# KiCad board traffic_paradise.kicad_pcb (continued)
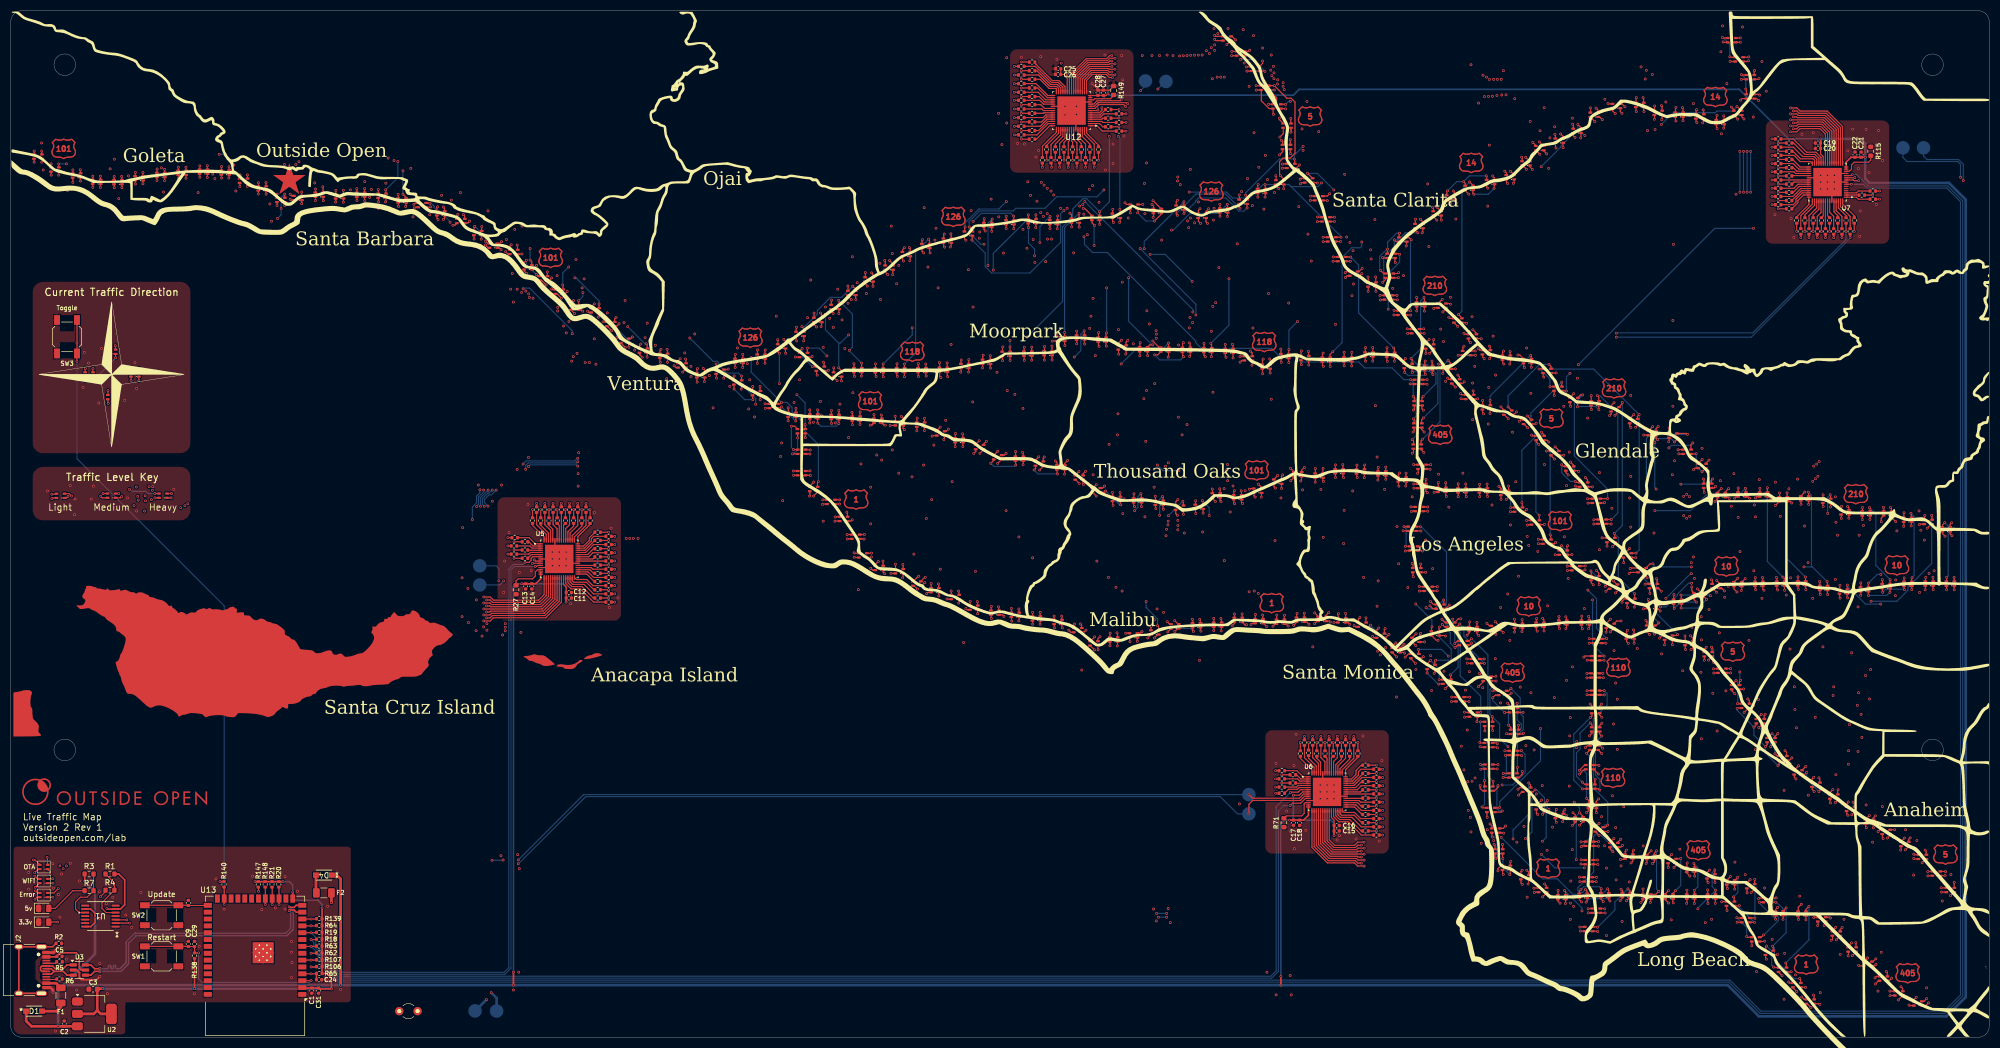
[diagram p0: board, top side]
## Routing (per net, layer and track width the routed paths; a pad name or vN(x,y) marks a point on that pad's centre or on a via; arc(x,y) is an arc through that point) (continued)
/Matrix 1/COL6: length 495
  Top w0.203: v1(28.5,160.88) 28.49,160.86 28.49,160.22 ; 121.66,126.69 121.66,127.42 v1(121.58,127.5) ; v1(187.43,108.4) 187.54,108.28 187.54,107.64 ; 220.36,76.76 220.36,77.34 v1(220.25,77.45) ; 153.41,115.36 153.41,116.17 v1(153.4,116.18) ; v1(254.73,105.68) 254.7,105.65 254.7,104.9 ; v1(158.12,93.2) 158.09,93.16 157.22,93.16 ; v1(220.73,99.45) 220.87,99.31 220.87,98.7 ; 19.37,100.78 v1(20,100.78) ; U5.18 99.6,81.69 98.13,80.22 98.1,80.19 89.07,80.19 88.77,80.49 v1(87.62,80.49) ; v1(61.6,157) 61.61,156.99 61.61,156.26 ; 93.87,145.95 93.87,146.76 v1(93.8,146.82) ; 186.78,78.69 186.78,79.34 v1(186.75,79.38)
  In1.Cu w0.203: v1(37.42,159.99) 35.25,159.99 33.42,161.82 29.44,161.82 v1(28.5,160.88) ; v1(254.73,105.68) 254.73,105.91 v1(253.1,107.53) ; v1(61.6,157) 62.44,157.84 64.38,157.84 65.04,157.18 65.04,156.95 65.42,156.56 70.66,156.56 71.27,157.17 83.46,157.17 v1(93.8,146.82) 94.81,146.82 98,143.64 98,141.3 95.72,139.02 95.72,138.59 95.44,138.31 ; 95.44,138.31 95.44,138.2 95.36,138.13 95.36,137.1 95.57,136.89 95.57,136.89 95.87,136.59 95.87,136.59 96.05,136.42 97.76,136.42 100.09,134.09 101.1,134.09 101.1,134.09 101.99,134.09 102.46,133.61 104.24,133.61 104.24,133.61 104.77,133.61 105.42,132.96 106.97,132.96 108.27,131.67 110.59,131.67 110.78,131.86 111.31,131.86 112.49,133.04 116.04,133.04 v1(121.58,127.5) ; 95.44,138.31 v1(95.43,138.3) ; v1(153.4,116.18) 146.79,122.78 138.5,122.78 v1(136.44,124.84) ; v1(222.01,96.69) 212.34,87.03 v1(212.34,79.38) 212.34,79.23 213.58,77.99 219.71,77.99 v1(220.25,77.45) ; v1(187.43,108.4) 186.75,107.73 v1(186.75,92.72) v1(186.75,79.38) ; v1(158.12,93.2) 158.12,96.5 152.73,101.9 v1(152.73,113.85)
  In2.Cu w0.203: v1(87.62,80.49) 87.11,80.99 87.11,81.81 88.27,82.97 88.27,97.85 v1(87.71,98.42) 86.68,99.45 33.64,99.45 33.27,99.81 31.9,99.81 30.45,98.36 27.08,98.36 27.08,98.36 25.94,98.36 25.48,98.82 24.69,98.82 24.22,99.29 24.22,100.27 23.65,100.85 20.07,100.85 v1(20,100.78) ; v1(37.42,159.99) 41.73,159.99 42.09,160.35 49.21,160.35 50.25,159.3 59.3,159.3 v1(61.6,157) ; v1(186.75,92.72) 158.6,92.72 v1(158.12,93.2) ; v1(95.43,138.3) 95.21,138.09 95.21,136.7 95.81,136.1 95.81,108.83 89.19,102.21 v1(89.19,101.41) ; v1(186.75,79.38) v1(212.34,79.38) ; v1(220.73,99.45) 221.17,99.45 223.44,101.71 223.44,101.93 229.04,107.53 v1(253.1,107.53) ; v1(121.58,127.5) 121.58,127.37 123.77,125.18 128.38,125.18 128.91,125.71 132.46,125.71 133.33,124.84 v1(136.44,124.84)
  Bottom w0.203: v1(87.71,98.42) 87.36,98.76 87.36,99.84 88.43,100.9 88.64,100.9 89.15,101.41 v1(89.19,101.41) ; v1(222.01,96.69) 222.01,98.17 v1(220.73,99.45) ; v1(153.4,116.18) 153.4,114.53 v1(152.73,113.85)
/Matrix 1/COL7: length 489.4
  Top w0.203: v1(159.45,89.73) 159.44,89.71 158.54,89.71 ; 190.69,78.03 190.69,78.74 v1(190.7,78.75) ; v1(191.45,107.55) 191.25,107.35 191.25,106.73 ; U5.17 99.2,81.87 97.96,80.62 97.93,80.6 89.24,80.6 88.79,81.04 v1(88.14,81.04) ; v1(125,125.7) 125.06,125.64 125.06,124.91 ; 96.51,143.1 96.51,143.74 v1(96.2,144.05) ; v1(29.78,100.78) 29.77,100.78 28.89,100.78 ; 224.02,100.84 224.02,101.58 v1(223.95,101.65) ; 258.46,103.78 258.46,104.53 v1(258.48,104.55) ; v1(224.18,77.6) 224.27,77.5 224.27,76.86 ; v1(157.35,115.9) 157.32,115.87 157.32,115.06 ; 32.45,160.63 v1(32.45,161.28) ; v1(65.55,157.28) 65.52,157.25 65.52,156.56
  In1.Cu w0.2: v1(96.2,144.05) 96.2,143.98 94.76,142.54 94.76,138.86 v1(94.91,138.71) ; 86.31,98.49 v1(86.31,98.36)
  In1.Cu w0.203: v1(86.24,81.06) 86.25,81.04 v1(88.14,81.04) ; v1(29.78,100.78) 30.9,100.78 v1(32.8,98.87) ; v1(65.55,157.28) 65.96,157.68 84.69,157.68 v1(96.2,146.17) ; v1(191.45,107.55) 191.45,79.5 v1(190.7,78.75) ; v1(224.18,77.6) 223.03,78.75 ; 223.03,78.75 228.73,84.45 228.73,101.23 v1(228.67,101.29) ; 223.03,78.75 222.63,78.35 213.94,78.35 v1(213.55,78.75) ; v1(159.45,89.73) 160.42,90.69 v1(160.42,107.92) 160.42,115.63 160.14,115.91 157.36,115.91 v1(157.35,115.9) 151.71,121.54 149.4,121.54 v1(146.48,124.46)
  In2.Cu w0.2: v1(94.91,138.71) 94.58,138.71 94.12,138.25 94.12,136.77 95.09,135.8 95.09,109.13 87.58,101.62 v1(87.58,101.41)
  In2.Cu w0.203: v1(86.31,98.36) 86.21,98.46 ; 86.21,98.46 85.96,98.72 32.95,98.72 v1(32.8,98.87) ; 86.21,98.46 87.55,97.13 87.55,83.27 86.24,81.96 v1(86.24,81.06) ; v1(32.45,161.28) 33.21,162.04 35.31,162.04 35.54,161.8 35.54,161.58 36.62,160.5 38.23,160.5 38.29,160.45 41.68,160.45 41.99,160.76 49.31,160.76 50.4,159.67 63.16,159.67 v1(65.55,157.28) ; v1(190.7,78.75) v1(213.55,78.75) ; v1(160.42,107.92) 160.7,107.63 184.51,107.63 185.21,108.34 185.21,108.41 185.93,109.12 189.88,109.12 v1(191.45,107.55) ; v1(104.01,130.4) 115.38,130.4 116.7,129.08 121.62,129.08 v1(125,125.7) 125.38,126.08 132.68,126.08 133.32,125.44 136.86,125.44 137.97,124.33 146.35,124.33 v1(146.48,124.46) ; v1(258.48,104.55) 256.79,102.87 254.48,102.87 253.52,103.83 252.92,103.83 251.45,102.35 241.01,102.35 239.73,103.64 238.76,103.64 237.71,102.59 231.76,102.59 231.34,103.01 230.13,103.01 228.67,101.55 v1(228.67,101.29) 228.1,100.72 224.88,100.72 v1(223.95,101.65)
  Bottom w0.2: v1(87.58,101.41) 87.58,101.08 86.64,100.14 86.64,98.81 86.31,98.49 v1(86.31,98.36)
  Bottom w0.203: v1(94.91,138.71) 95.05,138.85 96.1,138.85 104.01,130.94 v1(104.01,130.4) ; v1(96.2,146.17) v1(96.2,144.05)
/Matrix 1/COL8: length 564.2
  Top w0.203: v1(195.78,106.9) 195.21,106.34 195.21,106.02 ; v1(161.58,88.25) 161.58,88.24 161.58,87.37 ; 194.71,77.37 194.71,78.02 v1(194.68,78.05) ; v1(99.4,141.85) 99.4,141.85 99.4,141.07 ; v1(262.18,103.4) 262.12,103.34 262.12,102.56 ; v1(227.93,101.28) 227.98,101.22 227.98,100.48 ; v1(128.28,123.95) 128.51,123.71 128.51,123.09 ; v1(161.25,115.33) 161.33,115.25 161.33,114.65 ; v1(11.26,100.29) 10.81,100.75 9.9,100.75 ; v1(69.45,157.07) 69.48,157.04 69.48,156.36 ; 36.41,160.83 36.41,161.51 v1(36.4,161.53) ; U5.16 98.8,82.04 97.79,81.03 97.76,81.01 89.41,81.01 88.81,81.6 v1(87.63,81.6) ; 6.8,29.35 7.75,29.35 v1(7.78,29.38)
  In1.Cu w0.2: v1(95.95,137.78) 96.08,137.92 96.08,138.87 99.06,141.85 v1(99.4,141.85)
  In1.Cu w0.203: v1(161.58,88.25) 161.33,88.5 v1(161.33,106.97) 161.05,107.25 161.05,115.12 v1(161.25,115.33) ; v1(195.78,106.9) 195.78,79.15 v1(194.68,78.05) ; v1(24.96,99.42) 23.73,99.42 v1(23.6,99.55) ; 98.66,141.45 98.66,144.49 93.41,149.74 v1(93.36,149.74) ; v1(99.4,141.85) 99.76,142.21 110.71,142.21 128.28,124.65 v1(128.28,123.95) ; v1(214.43,106.47) 222.84,106.47 227.93,101.38 v1(227.93,101.28)
  In2.Cu w0.2: v1(95.95,137.78) 95.57,137.41 95.57,136.85 96.17,136.25 96.17,108.68 89.91,102.41 v1(89.91,101.41)
  In2.Cu w0.203: v1(93.36,149.74) 88.83,149.74 76.25,162.31 v1(71.7,162.31) ; v1(161.33,106.97) 189.48,106.97 190.21,106.24 195.45,106.24 195.78,106.57 ; v1(7.78,29.38) 7.78,31.28 4.6,34.45 4.6,93.42 11.26,100.08 v1(11.26,100.29) 11.41,100.44 15.09,100.44 16.14,99.4 23.45,99.4 v1(23.6,99.55) ; v1(214.43,106.47) 214.33,106.57 195.78,106.57 ; v1(161.25,115.33) 156.61,119.96 142.29,119.96 138.7,123.55 134.04,123.55 132.24,125.34 129.67,125.34 v1(128.28,123.95) ; v1(36.4,161.53) 37.73,161.53 38.43,160.82 41.54,160.82 41.84,161.12 49.46,161.12 50.55,160.03 66.49,160.03 v1(69.45,157.07) ; v1(262.18,103.4) 260.59,103.4 257.76,106.24 251.74,106.24 249.97,104.46 237.46,104.46 236.61,103.61 230.19,103.61 227.93,101.34 v1(227.93,101.28) ; 195.78,106.57 v1(195.78,106.9) ; v1(24.96,99.42) 25.39,99.42 26.09,98.72 26.93,98.72 26.93,98.72 30.3,98.72 31.75,100.18 33.42,100.18 33.79,99.81 87.04,99.81 v1(88.4,98.45) 88.64,98.21 88.64,82.61 v1(87.63,81.6)
  Bottom w0.203: v1(71.7,162.31) 71.7,159.33 v1(69.45,157.07) ; v1(88.4,98.45) 87.73,99.12 87.73,99.69 88.58,100.54 89.04,100.54 89.91,101.4 v1(89.91,101.41)
/Matrix 1/ROW0: length 2.4
  Top w0.203: R11.1 95.81,90.25 U5.4
/Matrix 1/ROW1: length 2.7
  Top w0.203: U5.6 96.43,89.45 R12.1
/Matrix 1/ROW2: length 4.6
  Top w0.203: U5.5 96.26,89.85 95.95,89.54 R13.1
/Matrix 1/ROW3: length 4.8
  Top w0.203: R14.1 96.01,92.59 97.15,91.45 U5.1
/Matrix 1/ROW4: length 4.6
  Top w0.203: U5.3 96.55,90.65 96.14,91.06 R15.1
/Matrix 1/ROW5: length 2.7
  Top w0.203: R16.1 95.95,91.83 96.73,91.05 U5.2
/Matrix 1/ROW6: length 3.7
  Top w0.203: U5.58 99.6,93.44 98.17,94.87 R17.1
/Matrix 1/ROW7: length 5.9
  Top w0.203: R22.1 97.41,95 99.2,93.21 U5.59
/Matrix 1/ROW8: length 4
  Top w0.203: U5.60 98.8,92.72 96.65,94.87 R23.1
/Matrix 1/ROW9: length 5.5
  Top w0.203: U5.54 101.2,94.26 100.46,95 R24.1
/Matrix 1/ROW10: length 3.4
  Top w0.203: U5.56 100.4,94.17 99.7,94.87 R25.1
/Matrix 1/ROW11: length 5.6
  Top w0.203: U5.57 100,93.93 98.93,95 R26.1
/Matrix 1/ROW12: length 3.3
  Top w0.203: U5.51 102.4,94.91 R28.1
/Matrix 1/ROW13: length 5.2
  Top w0.203: U5.52 102,97.27 R29.1
/Matrix 1/ROW14: length 3.3
  Top w0.203: R30.1 101.6,94.87 U5.53
/Matrix 1/ROW15: length 5.8
  Top w0.203: U5.48 103.6,93.44 105.03,94.87 R31.1
/Matrix 1/ROW16: length 3.6
  Top w0.203: R32.1 104.27,94.75 103.2,93.68 U5.49
/Matrix 1/ROW17: length 5.5
  Top w0.203: U5.50 102.8,94.3 103.51,95 R33.1
/Matrix 1/ROW18: length 4.7
  Top w0.203: U5.45 105.05,92.79 107.32,95.06 R34.1
/Matrix 1/ROW19: length 3.9
  Top w0.203: R35.1 105.79,94.75 104,92.95 U5.47
/Matrix 1/ROW20: length 6.1
  Top w0.203: R36.1 106.55,94.87 104.4,92.72 U5.46
/Matrix 1/ROW21: length 5.5
  Top w0.203: R37.1 107.82,89.79 107.08,89.05 U5.39
/Matrix 1/ROW22: length 3.6
  Top w0.203: R38.1 107.95,90.56 106.85,89.45 U5.40
/Matrix 1/ROW23: length 5.8
  Top w0.203: U5.41 106.48,89.85 107.95,91.32 R39.1
/Matrix 1/ROW24: length 3.9
  Top w0.203: R40.1 108.18,92.08 106.35,90.25 U5.42
/Matrix 1/ROW25: length 6.4
  Top w0.203: R41.1 107.99,92.84 107.55,92.4 107.55,91.96 106.24,90.65 U5.43
/Matrix 1/ROW26: length 4.5
  Top w0.203: R42.1 107.19,92.59 107.19,92.11 106.12,91.05 U5.44
/Matrix 1/ROW27: length 5.5
  Top w0.203: R43.1 108.01,82.94 106.61,84.33 104.27,84.33 104,84.6 U5.29
/Matrix 1/ROW28: length 6.5
  Top w0.203: R44.1 107.82,83.7 106.68,84.84 104.77,84.84 104.41,85.21
/Matrix 1/ROW29: length 3.7
  Top w0.203: R45.1 108.08,84.46 106.69,85.85 U5.31
/Matrix 1/ROW30: length 5.6
  Top w0.203: R46.1 107.95,85.22 106.92,86.25 U5.32
/Matrix 1/ROW31: length 3.4
  Top w0.203: U5.33 107.28,86.65 107.95,85.98 R47.1
/Matrix 1/ROW32: length 5.3
  Top w0.203: R48.1 107.82,86.75 107.52,87.05 U5.34
/Matrix 1/ROW33: length 3.2
  Top w0.203: U5.35 108.15,87.45 R49.1
/Matrix 1/ROW34: length 5.2
  Top w0.203: U5.37 110.22,88.25
/Matrix 1/ROW35: length 3.3
  Top w0.203: R51.1 107.82,88.65 U5.38
/Matrix 1/ROW36: length 10
  Top w0.203: U5.26 102.8,84.08 103.76,83.11 105.49,83.11 107.95,80.65 R52.1
/Matrix 1/ROW37: length 7.1
  Top w0.203: U5.27 103.2,84.25 103.93,83.52 105.79,83.52 107.9,81.41 R53.1
/Matrix 1/ROW38: length 8.3
  Top w0.203: R54.1 107.95,82.17 106.2,83.93 104.1,83.93 103.6,84.42 U5.28
/Matrix 2/COL0: length 281.6
  Top w0.203: 353.96,6.65 354.4,6.65 v1(354.9,7.15) ; v1(231.9,78.25) 231.94,78.21 231.94,77.52 ; v1(304.88,34.55) 304.48,34.16 304.48,33.78 ; v1(275.12,66.93) 275.05,66.85 274.21,66.85 ; v1(276.9,39.15) 276.46,38.71 275.78,38.71 ; v1(279.82,53.15) 279.76,53.08 279.03,53.08 ; 263.79,69.03 263.79,69.72 v1(263.95,69.88) ; 261.61,98.3 262.48,98.3 v1(262.5,98.28) ; 292.9,29.65 v1(293.75,29.65) ; v1(250.7,36.16) 249.52,36.16 248.92,35.56 245.25,35.56 244.24,36.57 U6.24 ; v1(264.65,76.03) 264.6,75.98 264.6,75.25 ; v1(305.3,27.05) 304.71,26.46 303.77,26.46
  In1.Cu w0.203: v1(262.5,98.28) 261.95,98.82 259.12,98.82 254.69,94.39 254.69,80.41 ; v1(275.12,66.93) 276.36,66.93 280.74,62.55 280.74,54.11 v1(280.67,54.04) ; v1(272.4,35.95) 272.4,37.35 v1(273.5,38.45) ; v1(330.6,11.55) 330.4,11.55 329.7,10.85 327.95,10.85 324.2,14.6 324.2,14.75 324,14.75 319.3,19.45 319.3,20.75 316.3,23.75 313.6,23.75 313.14,23.29 307.66,23.29 305.3,25.65 v1(305.3,27.05) ; 254.69,80.41 257.93,77.16 263.51,77.16 v1(264.65,76.03) ; 254.69,80.41 250.78,80.41 248.04,77.67 232.48,77.67 v1(231.9,78.25) ; v1(304.88,34.55) 298.8,40.62 v1(298.8,42.71) ; v1(284.94,42.23) 284.94,41.75 283.68,40.48 278.23,40.48 v1(276.9,39.15) 276.9,46.12 v1(276.27,46.75)
  In2.Cu w0.203: v1(284.94,42.23) 285.46,42.74 289.14,42.74 289.21,42.67 298.76,42.67 v1(298.8,42.71) ; v1(305.3,27.05) 304.15,28.2 295.2,28.2 v1(293.75,29.65) ; v1(330.6,11.55) 348.7,11.55 351.34,8.91 353.14,8.91 v1(354.9,7.15) ; v1(273.5,38.45) 276.2,38.45 v1(276.9,39.15) ; v1(275.12,66.93) 273.26,68.79 268.7,68.79 v1(267.58,69.9) ; v1(250.7,36.16) 252.33,36.16 253.1,35.39 271.84,35.39 v1(272.4,35.95) ; v1(280.67,54.04) 280.67,54 v1(279.82,53.15)
  Bottom w0.203: v1(279.82,53.15) 280.51,52.46 280.51,49.04 278.22,46.75 v1(276.27,46.75) ; 266.83,70.09 266.62,69.88 v1(263.95,69.88) ; 266.83,70.09 266.83,71.95 264.65,74.13 v1(264.65,76.03) ; 266.83,70.09 267.39,70.09 v1(267.58,69.9) ; v1(304.88,34.55) 304.88,27.48 v1(305.3,27.05)
/Matrix 2/COL1: length 282.3
  Top w0.203: v1(277.9,64.62) 277.48,64.21 277.05,64.21 ; v1(294.15,44.18) 293.7,43.73 293.7,43.25 ; v1(250.19,34.49) 249.58,34.49 249.43,34.35 244.75,34.35 243.04,36.05 U6.21 ; v1(350.15,9.35) 350.46,9.04 350.46,8.53 ; v1(276.32,35.73) 276.34,35.71 276.34,34.85 ; 308.45,33.07 309.27,33.07 v1(309.35,33.15) ; v1(266.7,67.15) 266.74,67.11 266.74,66.29 ; 307.89,26.46 307.89,26.66 v1(308.38,27.15) ; 235.9,77.42 235.9,78.15 v1(235.98,78.23) ; 278.98,48.92 279.1,49.04 v1(279.1,50.01) ; 260.29,94.64 261.11,94.64 v1(261.15,94.6) ; 293.2,36.25 v1(294.12,36.25)
  In1.Cu w0.203: v1(243.12,92.65) 235.98,85.5 v1(235.98,78.23) ; v1(315.08,21.85) 314.09,22.85 307.59,22.85 304.79,25.65 304.79,27.26 305.19,27.66 307.86,27.66 v1(308.38,27.15) ; v1(282.62,45.09) 282.41,45.09 279.1,48.4 v1(279.1,50.01) ; v1(280.58,36.82) 280.46,36.7 280.46,34.37 278.09,32 277.67,32 277.04,32.62 277.04,35.01 v1(276.32,35.73) ; v1(266.7,67.15) 266.7,66.14 269.3,63.54 270.49,63.54 272.58,61.44 275.45,61.44 v1(275.98,61.96) ; v1(294.12,36.25) 294.74,36.87 294.74,40.81 v1(294.69,40.87) 294.69,43.64 v1(294.15,44.18)
  In2.Cu w0.203: v1(243.12,92.65) 259.2,92.65 v1(261.15,94.6) ; v1(277.9,64.62) 275.98,62.7 v1(275.98,61.96) ; v1(250.19,34.49) 251.51,34.49 251.7,34.3 274.9,34.3 v1(276.32,35.73) ; v1(315.08,21.85) 330.02,6.91 334.36,6.91 334.74,7.29 346.04,7.29 348.1,9.35 v1(350.15,9.35) ; v1(282.62,45.09) 282.62,44.18 283.62,43.18 289.23,43.18 289.36,43.04 293.01,43.04 v1(294.15,44.18) ; v1(294.69,40.87) 301.63,40.87 v1(309.35,33.15)
  Bottom w0.203: v1(261.15,94.6) 261.29,94.6 265.97,89.92 265.97,80.59 265.89,80.52 265.89,77.12 268.1,74.9 268.1,68.55 v1(266.7,67.15) ; v1(282.62,45.09) 281.78,44.26 281.78,38.02 v1(280.58,36.82) ; v1(309.35,33.15) 309.35,28.12 v1(308.38,27.15) ; v1(279.1,50.01) 279.1,55.96 280.19,57.05 280.19,59.44 279.61,60.01 279.61,62.91 v1(277.9,64.62)
/Matrix 2/COL2: length 257
  Top w0.203: v1(311.8,32.2) 311.9,32.1 311.9,31.44 ; v1(294.92,67.45) 294.2,67.45 ; v1(279.05,61.9) 279.08,61.87 279.08,61.01 ; 336.18,22.25 336.93,22.25 v1(337.08,22.1) ; v1(250.7,33.94) 244.58,33.94 242.64,35.88 U6.20 ; 277.76,31.8 277.76,32.46 v1(277.88,32.58) ; 239.61,77.77 239.61,78.59 v1(239.62,78.6) ; 281.52,46.28 281.52,46.8 v1(281.2,47.13) ; v1(261.55,91) 261.53,90.98 260.59,90.98 ; 269.18,63.04 270.26,63.04 v1(270.27,63.03) ; 293.1,32.85 v1(293.93,32.85) ; 311.9,26.46 311.9,27.2 v1(311.88,27.23)
  In1.Cu w0.203: v1(270.27,63.03) 272.22,61.08 278.23,61.08 v1(279.05,61.9) ; v1(337.08,22.1) 336.2,22.97 320.33,22.97 317.27,26.03 313.07,26.03 v1(311.88,27.23) ; v1(246.91,91.5) 239.62,84.21 v1(239.62,78.6) ; v1(278.45,54.04) 278.45,52.27 279.62,51.1 279.62,49.6 279.49,49.46 279.49,48.53 280.89,47.13 v1(281.2,47.13) ; v1(277.88,32.58) 277.4,33.05 277.4,35.16 277.4,35.16 277.4,35.85 v1(278.3,36.75) ; v1(293.93,32.85) 295.73,32.85 v1(299.81,28.78) ; v1(279.63,64.9) 279.63,68.03 270.92,76.74 270.92,81.63 v1(261.55,91)
  In2.Cu w0.203: v1(283.54,33.89) 282.23,32.58 v1(277.88,32.58) 277.84,32.61 274.64,32.61 273.31,33.94 v1(250.7,33.94) ; v1(279.05,61.9) 278.46,61.31 277.08,61.31 276.76,61.63 276.76,62.12 277.43,62.79 277.69,62.79 279.63,64.73 v1(279.63,64.9) 294.65,64.9 295.55,65.8 295.55,66.82 v1(294.92,67.45) ; v1(246.91,91.5) 261.05,91.5 v1(261.55,91) ; v1(291.5,31.39) 292.46,31.39 v1(293.93,32.85) ; v1(299.81,28.78) 310.32,28.78 v1(311.88,27.23)
  Bottom w0.203: v1(279.05,61.9) 279.05,58.8 279.82,58.03 279.82,57.28 278.45,55.91 v1(278.45,54.04) ; v1(311.88,27.23) 312.53,27.88 312.53,31.47 v1(311.8,32.2) ; v1(283.54,33.89) 286.04,31.39 v1(291.5,31.39) ; v1(278.3,36.75) 278.3,38.4 281.2,41.31 v1(281.2,47.13)
/Matrix 2/COL3: length 239.8
  Top w0.203: v1(315.85,27.25) 315.76,27.16 315.76,26.46 ; v1(272.3,60.2) 271.67,60.2 ; v1(261.18,87.7) 261.15,87.68 261.15,86.97 ; 281.17,30.07 281.17,30.61 v1(280.82,30.95) ; v1(279.3,57.83) 279.29,57.81 279.29,57 ; v1(284.65,43.88) 284.01,43.24 284.01,43.03 ; v1(315.68,31) 315.66,30.98 315.66,30.22 ; 243.63,77.93 243.63,78.18 v1(244.15,78.7) ; 294.4,23.85 295.23,23.85 v1(295.27,23.8) ; U6.19 242.24,35.7 244.41,33.53 249.43,33.53 249.58,33.38 v1(250.19,33.38) ; 293.2,50.45 294.1,50.45 v1(294.2,50.35) ; v1(339.25,20.33) 338.88,19.95 338.88,19.61
  In1.Cu w0.203: v1(339.25,20.33) 339.25,20.74 328.99,31 v1(315.68,31) ; v1(244.15,78.7) 250.61,85.16 v1(250.61,85.23) ; v1(288.93,24.85) 288.22,25.56 287,25.56 285.31,27.26 284.52,27.26 v1(280.82,30.95) 280.82,33.41 v1(283.74,36.32) ; v1(272.3,60.2) 272.82,60.71 276.97,60.71 279.3,58.39 v1(279.3,57.83) ; v1(267.13,77.49) 265.77,78.85 265.77,79.52 261.44,83.86 261.44,87.44 v1(261.18,87.7)
  In2.Cu w0.203: v1(288.93,24.85) 290.35,24.85 291.69,23.51 291.69,22.79 291.96,22.51 293.99,22.51 v1(295.27,23.8) v1(312.53,23.8) ; v1(284.65,43.88) 285.54,44.76 292.51,44.76 295.3,47.55 295.3,49.25 v1(294.2,50.35) 293.88,50.67 286.66,50.67 279.51,57.83 v1(279.3,57.83) ; v1(280.82,30.95) 279.73,32.05 277.68,32.05 277.48,32.25 274.49,32.25 273.16,33.58 251.06,33.58 250.87,33.38 v1(250.19,33.38) ; v1(261.18,87.7) 258.71,85.23 v1(250.61,85.23)
  Bottom w0.203: v1(267.13,77.49) 267.13,76.39 268.5,75.02 268.5,67 272.3,63.2 v1(272.3,60.2) ; v1(312.53,23.8) 312.53,23.93 v1(315.85,27.25) 315.18,27.92 315.18,30.51 v1(315.68,31) ; v1(284.65,43.88) 284.65,42.66 284.43,42.44 284.43,37.01 v1(283.74,36.32)
/Matrix 2/COL4: length 355.2
  Top w0.203: U6.18 241.84,35.53 244.24,33.13 249.26,33.13 249.56,32.83 v1(250.7,32.83) ; v1(295.65,73.9) 295.6,73.85 294.7,73.85 ; 228.1,77.75 v1(228.1,78.45) ; 341.82,16.66 341.82,17.5 v1(341.8,17.53) ; 319.32,29.11 319.38,29.11 v1(319.93,29.65) ; v1(274.43,59.43) 274.46,59.39 274.46,58.47 ; v1(355.85,96.73) 355.89,96.68 355.89,95.91 ; v1(247.28,78.55) 247.28,78.54 247.28,77.67 ; 319.27,25.14 319.27,25.86 v1(319.12,26) ; v1(284.12,28.4) 284.47,28.06 284.47,27.68 ; v1(287.9,42.23) 287.57,41.9 287.57,41.4 ; 263.29,83.51 264.26,83.51 v1(264.27,83.5)
  In1.Cu w0.203: v1(264.27,83.5) 269.46,78.31 269.46,76.21 271.71,73.96 272.44,73.24 272.44,68.63 274.61,66.46 274.61,65.14 v1(274.65,65.1) ; v1(284.12,28.4) 289.8,34.08 289.8,36.76 288.25,38.32 v1(288.25,41.04) ; v1(229.23,77.31) 229.23,77.32 v1(228.1,78.45) ; v1(247.28,78.55) v1(253.31,84.58) ; v1(287.9,42.23) 285.67,44.46 282.52,44.46 277.58,49.4 277.58,53.61 v1(277.35,53.84)
  In2.Cu w0.203: v1(253.31,84.58) 263.19,84.58 v1(264.27,83.5) 291.53,83.5 v1(292.16,82.87) ; v1(319.12,26) 321.13,26 326.19,20.94 333.53,20.94 337.52,16.95 341.23,16.95 v1(341.8,17.53) ; v1(319.93,29.65) 307.38,42.2 287.93,42.2 v1(287.9,42.23) ; v1(229.23,77.31) 229.23,77.8 230.92,79.5 246.33,79.5 v1(247.28,78.55) ; v1(250.7,32.83) 251.62,32.83 252,33.21 273.01,33.21 274.34,31.89 277.1,31.89 278.55,30.44 282.09,30.44 v1(284.12,28.4) ; v1(295.65,73.9) 304.55,73.9 306.66,76.01 v1(311.43,76.01) ; v1(313.15,77.94) 341.74,77.94 v1(344.61,80.81)
  Bottom w0.203: v1(311.43,76.01) 311.43,76.23 v1(313.15,77.94) ; v1(277.35,53.84) 275.8,55.39 275.8,58.05 v1(274.43,59.43) 274.01,59.84 274.01,64.46 v1(274.65,65.1) ; v1(344.61,80.81) 349.4,80.81 351.46,82.87 351.46,83.41 355.85,87.8 v1(355.85,96.73) ; v1(295.65,73.9) 293.76,75.79 293.76,81.27 v1(292.16,82.87) ; v1(287.9,42.23) 287.9,41.39 v1(288.25,41.04) ; v1(319.93,29.65) 319.93,26.8 v1(319.12,26)
/Matrix 2/COL5: length 264.6
  Top w0.203: 274.46,54.56 275.19,54.56 v1(275.38,54.38) ; v1(294.7,61.75) 294.3,61.35 294.3,60.85 ; v1(251.05,77.73) 251.04,77.72 251.04,76.86 ; v1(345.5,14.53) 344.99,14.02 344.72,14.02 ; U6.17 241.44,35.35 244.07,32.72 249.09,32.72 249.54,32.27 v1(250.19,32.27) ; v1(323.1,22.05) 323.05,22.1 322.11,22.1 ; v1(265.43,81.05) 265.47,81.01 265.47,80.21 ; 323.03,28.4 323.03,29.2 v1(323.08,29.25) ; v1(290.6,41.6) 291.23,40.98 291.23,40.79 ; 288.02,26.36 288.02,26.98 v1(287.82,27.18) ; 294.3,70.65 v1(295.18,70.65)
  In1.Cu w0.203: v1(289.62,43.55) 289.62,44.14 280.56,53.2 ; 280.56,53.2 279.38,54.38 278.84,54.38 278.66,54.55 278.24,54.55 278.06,54.38 v1(275.38,54.38) ; 280.56,53.2 281.19,53.83 281.19,54.23 281.74,54.78 285.94,58.99 v1(285.94,62.96) ; v1(295.18,70.65) 295.95,69.87 295.95,63 v1(294.7,61.75) ; v1(290.01,32.93) 287.82,30.74 v1(287.82,27.18)
  In2.Cu w0.203: v1(262.18,79.61) 253.84,79.61 251.95,77.73 v1(251.05,77.73) ; v1(250.19,32.27) 251.83,32.27 252.4,32.85 272.3,32.85 280.52,24.63 285.28,24.63 v1(287.82,27.18) ; 323.55,20.76 323.55,21.6 v1(323.1,22.05) ; 323.55,20.76 317.93,20.76 315.44,23.25 296.3,23.25 295.2,22.15 291.81,22.15 291.07,22.89 v1(291.07,23.41) ; 323.55,20.76 323.77,20.54 333.04,20.54 337.08,16.5 343.53,16.5 v1(345.5,14.53) ; v1(294.7,61.75) 293.5,62.96 v1(285.94,62.96) ; v1(265.43,81.05) v1(293.02,81.05)
  Bottom w0.203: v1(290.01,32.93) 290.01,41.01 v1(290.6,41.6) 290.6,42.57 v1(289.62,43.55) ; v1(262.18,79.61) 262.4,79.39 263.76,79.39 v1(265.43,81.05) ; v1(323.1,22.05) 323.1,29.23 v1(323.08,29.25) ; v1(287.82,27.18) 291.07,23.93 v1(291.07,23.41) ; v1(295.18,70.65) 293.02,72.81 v1(293.02,81.05)
/Matrix 2/COL6: length 266.2
  Top w0.203: v1(268.6,77.55) 268.14,77.55 267.45,76.86 ; 326.12,25.8 327.03,25.8 v1(327.05,25.83) ; U6.16 241.04,35.18 243.9,32.31 248.92,32.31 249.52,31.72 v1(250.7,31.72) ; 347.61,11.28 347.61,12.01 v1(347.43,12.2) ; v1(291.7,27.38) 291.99,27.09 291.99,26.62 ; 294.93,38.91 295.41,38.91 v1(295.82,39.33) ; v1(324.7,18.95) 324.29,18.54 323.94,18.54 ; 274.51,50.54 275.48,50.54 v1(275.5,50.53) ; 293.4,46.85 293.4,47.73 v1(293.5,47.83) ; v1(295.18,64.23) 295.15,64.25 294.3,64.25 ; v1(254.6,75.75) 254.45,75.6 254.45,74.83
  In1.Cu w0.203: v1(291.7,27.38) 289.5,25.18 v1(289.5,24.26)
  In2.Cu w0.203: v1(347.43,12.2) 340.05,12.2 333.3,18.95 v1(324.7,18.95) 323.26,20.39 317.78,20.39 315.29,22.89 296.45,22.89 295.35,21.78 291.66,21.78 289.5,23.94 v1(289.5,24.26) 280.37,24.26 272.15,32.49 253,32.49 252.23,31.72 v1(250.7,31.72) ; v1(295.18,64.23) 296.2,65.25 296.2,67.25 295.3,68.15 292.98,68.15 288.78,72.35 270.5,72.35 269,73.85 269,77.15 v1(268.6,77.55) 266.52,75.47 264.44,75.47 264.14,75.78 264.14,75.97 263.43,76.68 255.53,76.68 v1(254.6,75.75) ; v1(293.5,47.83) 294.18,47.83 294.7,48.35 294.7,49.13 293.69,50.14 286.31,50.14 285.93,50.53 v1(275.5,50.53)
  Bottom w0.203: v1(291.7,27.38) 291.15,26.83 290.68,26.83 290.29,27.22 290.29,27.68 293.21,30.61 293.21,37.21 295.32,39.33 v1(295.82,39.33) 295.82,43.55 293.5,45.88 v1(293.5,47.83) 293.18,48.15 293.18,59.03 295.72,61.57 295.72,63.68 v1(295.18,64.23) ; v1(324.7,18.95) 324.78,18.95 327.44,21.61 327.44,22.23 326.4,23.27 326.4,25.18 v1(327.05,25.83)
/Matrix 2/COL7: length 210.2
  Top w0.203: v1(326.38,16.88) 326.48,16.77 326.48,16.05 ; 261,74.05 261,74.7 v1(261.18,74.88) ; v1(331.4,10.88) 331.56,10.72 331.56,10.06 ; v1(328.88,23.98) 328.31,23.41 328.31,23.37 ; 297.68,36.02 297.68,36.13 v1(298.25,36.7) ; U6.22 243.44,36.23 244.91,34.75 249.26,34.75 249.56,35.05 v1(250.71,35.05) ; v1(295.8,27.5) 296,27.3 296,26.72 ; v1(270.57,73.85) 270.18,73.45 269.79,73.45 ; v1(258.1,72.85) 257.38,72.13 257.34,72.13 ; v1(274.6,47.45) 274.6,46.57 274.51,46.48 ; v1(294.9,53.58) 294.43,54.05 294,54.05
  In1.Cu w0.203: 301.17,29.2 314.63,29.2 315.06,28.77 315.06,27.29 315.91,26.44 317.7,26.44 319.1,25.04 322.85,25.04 324.32,23.56 328.46,23.56 v1(328.88,23.98) ; 301.17,29.2 301.17,34.91 299.38,36.7 v1(298.25,36.7) 298.25,50.23 v1(294.9,53.58) ; 301.17,29.2 301.17,28.36 299.72,26.91 296.39,26.91 v1(295.8,27.5) ; v1(274.6,47.45) 274.6,38.65 276.1,37.15 v1(276.1,37.05) ; v1(261.18,74.88) 266.98,74.88 268,73.85 v1(270.57,73.85)
  In2.Cu w0.203: v1(261.18,74.88) 259.15,72.85 v1(258.1,72.85) ; v1(250.71,35.05) 251.62,35.05 252,34.66 274.54,34.66 276.1,36.22 v1(276.1,37.05)
  Bottom w0.203: v1(274.6,47.45) 273.63,48.42 273.63,70.88 270.67,73.85 v1(270.57,73.85) ; v1(276.1,37.05) 283.8,29.35 286.5,29.35 289.39,26.46 294.76,26.46 v1(295.8,27.5) ; v1(328.88,23.98) 328.88,19.38 v1(326.38,16.88) 326.73,16.52 326.73,14.48 330.33,10.88 v1(331.4,10.88)
/Matrix 2/COL8: length 219.3
  Top w0.203: 332.53,23.31 332.53,23.68 v1(333.1,24.25) ; v1(299.57,27.5) 299.96,27.11 299.96,26.77 ; v1(294.75,58.2) 294.3,57.75 294.3,57.45 ; 300.47,33.88 300.47,34.52 v1(300.62,34.68) ; U6.23 243.84,36.4 245.08,35.16 249.09,35.16 249.54,35.6 v1(250.19,35.6) ; 334.05,7.01 334.05,7.7 v1(333.95,7.8) ; 260.8,71.05 260.8,71.85 v1(260.77,71.88) ; 272.07,70.1 272.95,70.1 v1(272.95,70.1) ; v1(293.95,20.4) 293.9,20.45 293,20.45 ; v1(328.8,13.75) 328.92,13.63 328.92,12.9 ; 274.87,42.52 275.77,42.52 v1(275.82,42.58)